# Allegro board LAUNCHXL-CC1312R1.brd (continued)
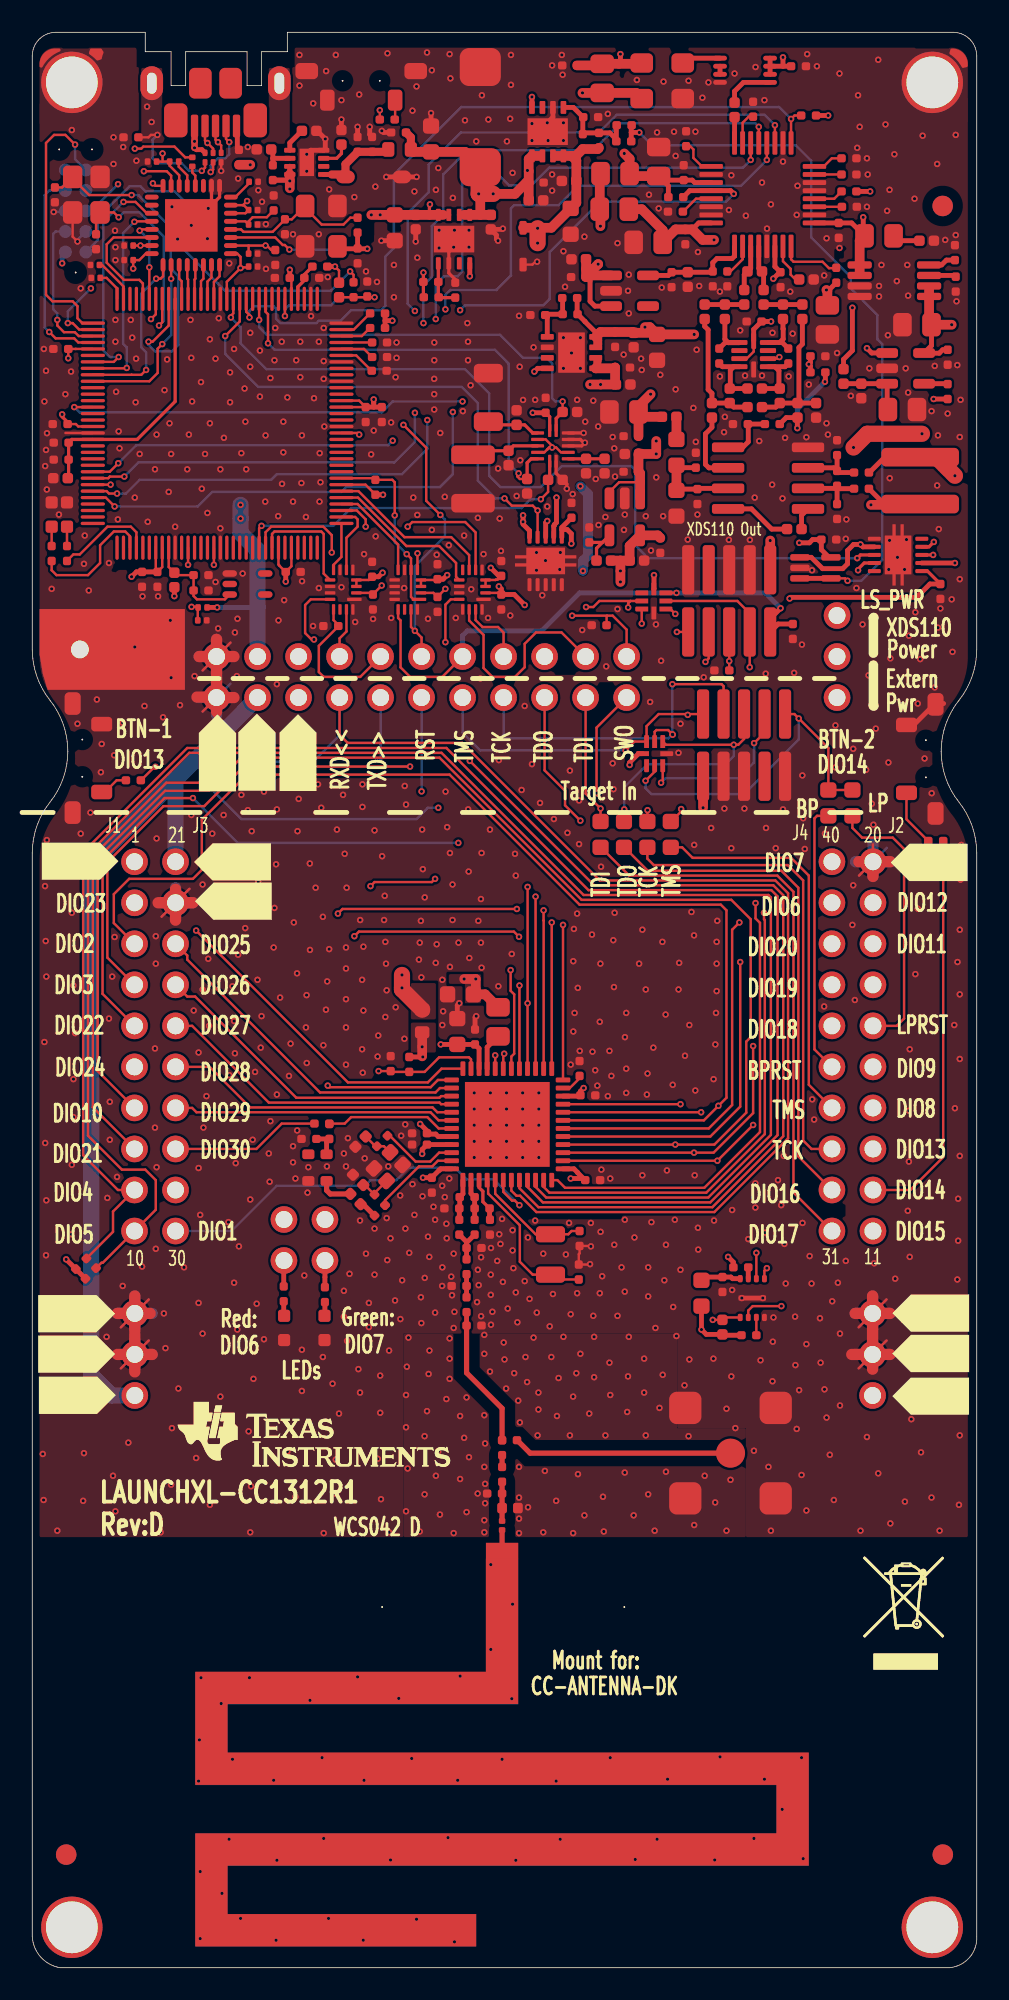
[diagram p0: board, top side]
## Routing (per net, layer and track width the routed paths; a pad name or vN(x,y) marks a point on that pad's centre or on a via; arc(x,y) is an arc through that point) (continued)
  TOP w0.15: P4.11 24.11,82.34 v1(23.7,82.75) 23.46,82.99 U10.15 ; 40.63,82.68 v1(39.93,82.68) ; CR7.2 37.05,84.6 ; 37.05,84.6 35.12,84.6 34.75,84.23 v1(34.3,84.23) ; 37.05,84.6 36.91,84.46 v1(36.91,84.2) ; v1(22.99,95.5) 24.4,94.09 24.4,90.8 v1(25.27,89.93) ; v1(21.53,114.98) R57.2
  L3 w0.15: v1(22.99,95.5) 22.99,113.92 21.93,114.98 v1(21.53,114.98) ; v1(36.91,84.2) 37.19,83.91 38.7,83.91 v1(39.93,82.68) ; v1(34.3,84.23) 32.71,84.23 31.54,83.05 24,83.05 v1(23.7,82.75)
  BOTTOM w0.15: v1(23.7,82.75) 23.7,86.75 25.56,88.61 25.56,89.64 v1(25.27,89.93)
XDS_RX: length 3.1
  TOP w0.15: U5.33 19.15,87.33 18.66,86.84 U8.8
XDS_RX_LS: length 9
  TOP w0.15: P4.13 20.31,79.9 18.05,79.9 17.75,80.2 17.75,81.82 18.95,83.03 R61.2 18.95,83.12 18.66,83.41 U8.13
XDS_SWO: length 7.2
  TOP w0.15: U5.25 14.85,88.75 15,88.9 17.9,88.9 18.05,88.75 18.05,86.3 U8.9
XDS_SWO_LS: length 26.7
  TOP w0.15: P4.1 36.81,82.83 35.95,83.69 35.6,83.69 ; v1(17.45,82.21) 17.3,82.21 16.9,82.61 16.9,84.35 17.25,84.7 U8.12 ; v1(33.44,83.69) 35.6,83.69 ; 35.6,83.69 35.57,83.66 R62.2
  L3 w0.15: v1(17.45,82.21) 24.04,82.21 24.53,82.7 32.45,82.7 v1(33.44,83.69)
XDS_TCK: length 11.7
  TOP w0.15: v1(23.25,89.2) 23.53,89.49 26.82,89.49 27.46,88.84 U9.6 ; v1(20.65,89.2) 20.65,89.65 20.1,90.2 U5.35
  L3 w0.15: v1(23.25,89.2) v1(20.65,89.2)
XDS_TCK_LS: length 29
  TOP w0.15: v1(44.44,80.5) P7.4 44.44,83.83 43.67,84.6 CR7.6 ; U9.15 27.46,83.42 27.89,82.99 28.85,82.99 29.19,82.64 P4.7
  L3 w0.15: v1(44.44,80.5) 44.04,80.5 43.84,80.3 39.28,80.3 38.89,79.91 30.44,79.91 P4.7
XDS_TDI: length 10.5
  TOP w0.15: U9.7 27.06,87.44 25.95,88.55 23.05,88.55 20.2,91.4 U5.38
XDS_TDI_LS: length 25.9
  TOP w0.15: P7.8 41.9,81.05 41.7,80.85 v1(41.7,80.83) ; P4.3 32.78,82.65 31.2,82.65 30.5,81.95 30.5,80.5 29.9,79.9 28.5,79.9 27.95,80.45 27.95,82.5 27.06,83.39 U9.14 ; v1(37.75,83.2) CR7.3
  L3 w0.15: P4.3 35,81.89 35,82.95 35.25,83.2 v1(37.75,83.2) 40.12,80.83 v1(41.7,80.83)
XDS_TDO: length 9.9
  TOP w0.15: U9.9 26.25,86.1 26.25,86.95 25.2,88 23.17,88 20.18,91 19.15,91
XDS_TDO_LS: length 29
  TOP w0.15: P7.6 v1(43.17,80.88) 43.17,80.31 R63.2 ; v1(39.83,83.8) 39.53,84.1 CR7.5 ; U9.12 25.92,84.7 25.59,84.37 v1(25.59,82.05)
  L3 w0.15: v1(43.17,80.88) 43.19,80.9 43.19,83.4 42.79,83.8 v1(39.83,83.8) 39.01,84.62 35.66,84.62 34.59,83.55 34.12,83.55 P4.5 30.61,82.29 26.29,82.29 26.06,82.05 v1(25.59,82.05)
XDS_TMS: length 6.1
  TOP w0.15: U10.8 22.66,88.09 20.15,90.6 U5.36
XDS_TMS_DIR: length 13.2
  TOP w0.15: U5.24 14.45,88.85 14.8,89.2 18.02,89.2 18.55,88.68 v1(18.55,87.6) ; U10.5 v1(23.86,87.55)
  L3 w0.15: v1(18.55,87.6) 18.94,87.99 23.42,87.99 v1(23.86,87.55)
XDS_TMS_LS: length 34.7
  TOP w0.15: U10.13 22.66,83.55 22.81,83.4 22.81,80.49 23.4,79.9 25.39,79.9 P4.9 ; CR7.7 v1(39.9,85.1) ; 45.72,82.67 P7.2
  TOP w0.3: R65.2 46.2,83.17 P7.2 45.71,83.51 v1(46.35,84.15)
  BOTTOM w0.3: v1(46.35,84.15) 45.4,85.1 v1(39.9,85.1) 33.9,85.1 31.55,82.75 26.95,82.75 26.65,82.45 P4.9
XDS_TX: length 4.5
  TOP w0.15: U8.6 19.46,88.51 20.15,89.2 20.15,89.65 20,89.8 U5.34
XDS_TX_LS: length 3.1
  TOP w0.15: U8.15 19.46,82.71 19.03,82.28 P4.15
XDS_VDD: length 189.2
  TOP w0.15: C73.1 28.82,85.93 28.72,85.93 28.7,85.9 U9.4 U9.3 ; U5.101 2.69,100.2 C4.1 v1(2.23,99.62) ; C6.1 13.35,105.25 12.99,105.25 12.9,105.16 12.9,105.2 ; U8.3 U8.4 20.85,85.9 C71.1 ; U5.28 16.05,86.75 C2.1 15.69,86.4 15.29,86.79 15.29,86.81 15.25,86.85 U5.26 ; U5.113 2.85,95.4 2.7,95.55 C3.1 ; U5.90 7.65,102.35 v1(7.35,102.05) ; 8.07,111.8 v1(8.07,112.3) ; 8.07,111.8 C80.1 ; 8.07,111.8 R83.1 8.51,111.54 9.1,110.95 U15.6 ; U15.25 12.7,106.1 12.9,105.9 12.9,105.2 ; U5.122 v1(4.85,91.8) ; U5.52 20.25,97 C39.1 U5.51 ; v1(18.75,105.3) 19,105.05 R17.2 ; U5.69 16.05,104.5 C38.1 ; U5.39 20.64,91.8 21.25,91.19 R58.2 ; U5.16 v1(11.25,86.84) ; U10.3 U10.4 25.05,85.9 C75.1 ; v1(6.25,105.17) C78.1 6.63,105.7 7.03,106.1 U15.16 ; U15.30 13.2,108.6 C79.1 13.1,109.1 13.05,109.1 ; 12.9,105.2 v1(12.9,105.2) 12.05,104.36 U5.79 ; U5.7 7.65,86.5 C42.1 8.05,86.7 U5.8 ; U15.31 13.05,109.1 ; 13.05,109.1 v1(13.3,109.36) ; 19.15,95 20.15,95 v1(20.25,94.9)
  TOP w0.2: v1(24.63,109.15) 24.6,109.12 24.6,108.5 ; C3.1 2.19,95.66 1.85,96 v1(1.85,96.15) ; v1(24.23,104.93) R33.2 24.23,103.42 C47.1
  TOP w0.3: 25.45,108.5 U7.3 ; R18.2 v1(8.8,84.9) ; v1(28.4,86.65) 28.9,86.15 C73.1 ; R27.1 21.85,101.95 ; 21.85,101.95 v1(22.3,101.95) ; 21.85,101.95 R39.1 ; C75.1 25.45,85.95 v1(25.7,86.2) ; R58.2 v1(21.73,91.18) ; v1(21.7,86.35) 21.45,86.1 C71.1 ; 21.15,96.6 C39.1 ; 21.15,96.6 C40.1 ; 21.15,96.6 21.15,96.88 21.15,96.89 v1(21.15,97.08) ; v1(6.15,86.1) 6.45,86.4 C7.1 C42.1 ; C2.1 v1(15.7,85.8) ; R31.2 v1(18.75,105.3) ; C38.1 v1(15.95,105.1)
  TOP w0.6: 25.45,108.5 U7.4 C49.1 C113.1 v1(21.55,108.5) v1(21,108.5)
  L3 w0.15: 6.25,103.32 6.23,103.3 ; 7.59,103.3 7.67,103.22 ; 7.37,102.05 v1(7.35,102.05)
  L3 w0.2: v1(24.63,109.15) 24.63,105.33 v1(24.23,104.93)
  L3 w0.3: v1(1.85,96.15) 1.85,95.97 2.27,95.55 3.59,95.55 3.75,95.39 ; 25.71,86.79 25.7,86.77 v1(25.7,86.2) ; 15.67,88.15 15.7,88.12 v1(15.7,85.8) ; 7.67,103.22 7.67,102.35 7.37,102.05 ; v1(18.75,105.3) 17,105.3 16.95,105.25 ; 3.75,102.58 2.74,102.58 1.82,103.5 1.82,105.48 v1(1.85,105.5) ; v1(8.8,84.9) 8.8,88.14 8.79,88.15 ; v1(22.3,101.95) 19.39,101.95 ; 19.39,96.6 20.67,96.6 v1(21.15,97.08) ; 19.39,91.2 19.41,91.18 v1(21.73,91.18) ; v1(15.95,105.1) 15.95,103.3 ; v1(8.07,112.3) 8.07,112.27 9.19,111.15 9.19,110.07 9.31,109.95 ; 21.71,86.79 21.7,86.77 v1(21.7,86.35) ; v1(11.25,86.84) 11.25,88.15 ; v1(6.25,105.17) 6.25,103.32 ; v1(20.25,94.9) 19.39,94.9
  L3 w0.6: v1(6.15,86.1) 6.15,87.3 6.91,88.06 ; v1(12.9,105.2) 12.9,107.24 12.91,107.25 ; v1(28.4,86.65) 28.26,86.79 17.97,86.79 17.55,87.21 17.55,88.15 ; 12.91,107.25 14.95,107.25 16.2,108.5 16.95,108.5 ; 12.91,107.25 12.91,108.96 ; 17.55,88.15 7,88.15 6.91,88.06 ; 17.55,88.15 17.99,88.15 19.39,89.55 19.39,91.2 ; 3.75,91.8 3.75,99.63 ; 3.75,91.8 3.76,91.8 v1(4.85,91.8) ; 3.75,91.8 3.75,89.5 5.19,88.06 6.91,88.06 ; 16.95,103.3 4.47,103.3 3.75,102.58 3.75,99.63 ; 16.95,103.3 18.72,103.3 19.39,102.63 19.39,94.9 ; 16.95,103.3 16.95,108.5 ; 12.91,108.96 v1(13.3,109.36) ; 12.91,108.96 12.91,109.07 12.03,109.95 9.31,109.95 ; 16.95,108.5 v1(21,108.5) v1(21.55,108.5) ; 3.75,99.63 3.74,99.62 v1(2.23,99.62)
  BOTTOM w0.3: v1(1.85,105.5) 1.85,106 P8.1
N949215: length 9.6
  TOP w0.15: 20.8,103.4 R20.1 R17.1 ; 20.8,103.4 v1(21.2,103.4) ; 20.8,103.4 R21.1 ; U5.70 v1(15.65,102.24)
  BOTTOM w0.15: v1(15.65,102.24) 15.65,102.64 15.91,102.9 18.5,102.9 R17.1 v1(21.2,103.4)
N949243: length 2.1
  TOP w0.15: U5.60 20.54,100.2 21.04,99.7 R30.1
N949263: length 3.1
  TOP w0.2: R34.2 25.2,103.38 C47.2 25.15,103.42 R33.1 U7.5
N949375: length 2.3
  TOP w0.15: R28.2 21.01,98.85 20.06,99.8 U5.59
N949687: length 13.6
  TOP w0.15: v1(7.85,101.65) 8.05,101.85 U5.89 ; C1.1 3.95,108.4 4.2,108.65 5.05,108.65 v1(5.35,108.35)
  BOTTOM w0.15: v1(5.35,108.35) 5.66,108.65 6.65,108.65 8.15,107.15 8.15,101.95 v1(7.85,101.65)
N949699: length 22
  TOP w0.15: v1(7.2,100.65) 7.45,100.65 8.45,101.65 U5.88 ; C9.1 1.85,110.2 Y3.1 2.5,110.75 3.52,109.73 v1(6.15,109.73)
  BOTTOM w0.15: v1(7.2,100.65) 7.2,100.45 7.6,100.05 8.65,100.05 9.05,100.45 9.05,104.7 9.02,104.73 9.02,104.73 8.78,104.98 8.77,104.98 8.57,105.18 8.57,107.73 6.6,109.7 6.58,109.7 6.55,109.73 v1(6.15,109.73)
N950083: length 6.7
  TOP w0.15: U5.9 8.45,86.7 R18.1 8.95,86.2 C8.1 C50.1 9.99,84.91 10.2,84.7 11.93,84.7 U6.3
N951001: length 2.2
  TOP w0.15: R39.2 20.91,102.4 19.91,101.4 U5.63
N951013: length 1.9
  TOP w0.15: U5.61 R29.1
N951017: length 2
  TOP w0.15: 19.15,101 20.41,101 20.91,101.5 R27.2
N952443: length 2.4
  TOP w0.2: U5.68 16.45,104.05 16.85,104.45 C46.1 16.85,104.8 R31.1
N1004371: length 8.1
  TOP w0.15: R23.2 1.2,86.5 1.5,86.2 3.45,86.2 4.2,86.95 4.2,88.05 5.05,88.9 5.76,88.9 6.05,88.61 U5.3
N1004534: length 6.3
  TOP w0.15: R25.2 2.15,87.09 2.54,87.48 2.94,87.48 4.66,89.2 6.1,89.2 6.45,88.85 U5.4
N1014101: length 10
  TOP w0.15: U1.4 28.24,48.69 28.24,47.92 30.2,45.96 30.2,43.7 31,42.9 Y1.1 32.4,42.6 C41.1
N1014113: length 7.2
  TOP w0.15: U1.5 28.67,47.91 31.18,45.4 Y1.2 33.2,45.4 33.4,45.6 C51.1
N1017630: length 2.5
  TOP w0.3: U4.8 43.38,42.65 43.28,42.75 C30.1 41.65,42.75 R12.1
N1018954: length 2.1
  TOP w0.15: C22.1 20.6,48.45 R5.2 21.2,47.85 21.2,47.95 Y2.1
N1031635: length 6.8
  TOP w0.15: v1(10.5,111.23) 10.7,111.43 CR6.1 ; v1(7.75,113.45) 7.35,113.45 7.2,113.3 R32.2
  BOTTOM w0.15: v1(7.75,113.45) 7.45,113.15 7.45,112 7.75,111.7 9.25,111.7 9.72,111.23 10.1,111.23 10.1,111.23 v1(10.5,111.23)
  vias: v1(7.11,115.2) v1(7.39,114.25)
N1105722: length 0.9
  TOP w0.15: 18.12,40.38 CR1.2
  TOP w0.3: R15.1 18.12,40.38
N1105771: length 0.9
  TOP w0.15: 15.57,40.38 CR2.2
  TOP w0.3: R14.1 15.57,40.38
N1105824: length 1.6
  TOP w0.3: P6.1 15.57,43.76 R14.2
N1106228: length 1.7
  TOP w0.15: 18.12,42.74 18.13,42.75
  TOP w0.3: 18.13,42.75 P6.3 ; R15.2 18.12,42.74
N1176548: length 29
  TOP w0.15: R47.1 38.1,68.65 38.5,68.25 46.8,68.25 47.75,67.3 47.75,51.2 48.27,50.68 J2.15
N1176568: length 31.4
  TOP w0.15: R48.1 36.67,69.35 38.12,67.9 46.4,67.9 47.45,66.85 47.45,50.22 J2.17
N1177007: length 35.1
  TOP w0.15: R49.1 35.22,69.35 36.97,67.6 46.15,67.6 47.15,66.6 47.15,47.98 J2.19
N1288065: length 3.5
  TOP w0.15: SW2.3 54.15,71.09 55.49,69.75 R55.1
N1288098: length 1.8
  TOP w0.15: R56.1 5.22,73.5 4.5,72.78 SW1.4
N1384129: length 1.2
  TOP w0.15: R57.1 22.47,114.43 SW3.3
N1409884: length 1.1
  TOP w0.15: U4.3 R59.1
N1409917: length 0.7
  TOP w0.3: U4.7 R60.1
N1553941: length 1.7
  TOP w0.15: U15.5 9.6,110.95 9.07,111.48 R83.2
N1579665: length 1.6
  TOP w0.15: R84.2 13.43,110.45 12.58,109.6 U15.32
N1580179: length 9.3
  TOP w0.15: U15.28 12.93,107.6 13.08,107.45 14.89,107.45 15.65,108.21 C88.2 16.07,108.22 Y4.1 16.9,108.93 17.92,107.9 19.27,107.9 19.7,108.32 R87.2
N1580186: length 11.7
  TOP w0.15: v1(15.92,106.35) 15.64,106.63 15.51,106.63 15.05,107.1 U15.27
  TOP w0.3: R87.1 C89.2 ; C89.2 20.17,106.4 v1(20.75,106.4) ; C89.2 20.13,106.4 19.05,106.4 Y4.3
  BOTTOM w0.15: v1(20.75,106.4) 20.35,106.4 20.3,106.35 v1(15.92,106.35)
N1644260: length 2.8
  TOP w0.15: R90.2 4.32,105.4 5.65,104.07 U5.95
N1644363: length 2
  TOP w0.15: U5.96 5.25,103.95 4.6,104.6 R91.2
N2070550: length 1.4
  TOP w0.15: U1.23 33.29,54.45 33.9,55.06 C53.1
N2071733: length 2.5
  TOP w0.3: U1.1 26.67,47.9 L12.2 26.48,47.03 C11.1 L11.1
N2072219: length 2.5
  TOP w0.3: C21.1 L32.1 L12.1 27.17,47.93 U1.2
N2074535: length 2.7
  TOP w0.2: L32.2 27.91,47.41 27.91,48.05 27.67,48.29 U1.3
  TOP w0.3: C31.1 28.32,46.33 L32.2
N2075216: length 2.4
  TOP w0.3: 26.9,44.88 26.9,44.93 L11.2 ; 26.9,44.88 C33.1 L33.1 ; 26.9,44.88 C21.2
N2075665: length 1.4
  TOP w0.3: L34.1 C34.1 L33.2
N2076038: length 8.8
  TOP w0.3: L34.2 C35.1
  TOP w0.32: C36.1 29.1,34.62 26.9,36.82 C35.1
N2078765: length 13.6
  TOP w0.32: J7.1 30.84,31.85 30.04,32.65 C37.2
N2082297: length 2.4
  TOP w0.32: Z60.2 Z61.1 Z62.1 Z63.1
N2239551: length 5.4
  TOP w0.15: R7.2 21.85,47.5 23.95,49.6 24.77,49.6 25.12,49.95 U1.47
N2239563: length 4.9
  TOP w0.15: U1.46 25.2,50.45 24.65,49.9 23.74,49.9 22.14,51.5 R6.1
N2245591: length 1.3
  TOP w0.32: Z63.2 A1.1
  vias: v1(10.3,11.55) v1(10.35,14.1) v1(10.4,5.95) v1(10.4,1.8) v1(10.45,17.95) v1(11.7,16.35) v1(11.75,4.6) v1(12.19,7.95) v1(12.4,12.9) v1(12.9,3.05) v1(13.45,17.95) v1(14.95,11.6) v1(15.15,6.65) v1(15.1,1.7) v1(17.2,16.55) v1(17.95,13) v1(18.05,8) v1(18.35,3.05) v1(20.15,18) v1(20.55,11.6) v1(20.5,1.7) v1(22.19,6.67) v1(22.7,16.67) v1(23.5,12.95) v1(23.8,3) v1(25.75,8.05) v1(26.15,1.6) v1(26.35,11.6) v1(26.5,18.05) v1(28.4,24.95) v1(28.4,19.7) v1(29.1,12.9) v1(29.75,22.5) v1(29.7,16.65) v1(29.95,6.65) v1(32.45,11.55) v1(32.7,7.95) v1(35.8,13) v1(37.35,6.7) v1(38.7,7.95) v1(39.35,11.67) v1(42.27,6.67) v1(42.6,13.05) v1(44.7,8) v1(45.35,11.67) v1(46.45,9.8) v1(47.65,13) v1(47.75,6.75)
N2266542: length 0.7
  TOP w0.32: C36.2 Z60.1
N3002303: length 17.7
  TOP w0.3: U34.7 46.5,117.7 ; U34.7 U34.8 ; U34.7 U34.6 ; 46.5,117.7 v1(46.5,118.25) ; 46.5,117.7 C115.1 ; 36.35,117.85 36.43,117.93 v1(36.43,118.45)
  TOP w0.6: C118.1 35.2,117.75 FL4.2 37.7,117.85 Y6.4
  L3 w0.3: v1(46.5,118.25) 36.63,118.25 v1(36.43,118.45)
N3002611: length 13.6
  TOP w0.3: R99.2 51.85,92.55 52.8,93.5 R107.1 ; U33.2 v1(57.15,86.95)
  TOP w0.6: 56,93.5 R107.1
  TOP w1: v1(57.15,92.35) 56,93.5
  L3 w1: v1(57.15,92.35) v1(57.15,86.95)
N3002631: length 2.4
  TOP w0.3: U34.1 40.59,118.2 Y6.3
N3002671: length 0.5
  TOP w0.3: U34.2 U34.3
N3002679: length 3.1
  TOP w0.3: U34.5 44.05,116.7 43.5,116.15 R94.2
N3002683: length 1.6
  TOP w0.3: U35.24 R94.1
N3002707: length 48.9
  TOP w0.3: U33.7 51.45,87.95 v1(51.3,88.1) 50.87,88.1 50.5,87.73 50.5,86.9 50.2,86.6 48.95,86.6 48.25,87.3 U45.1 ; v1(31.9,89.55) 31.9,89.55 31.8,89.45 U38.3 ; R108.2 52.77,90.6 R107.2
  TOP w0.6: R107.2 54.95,90.55 v1(51.95,90.55)
  TOP w1: v1(50.87,94.1) 51.72,94.95 v1(55.11,94.95)
  L3 w1: v1(31.9,89.55) 32.7,89.55 32.7,89.55 33.63,89.55 35.03,90.95 39.3,90.95 40.75,92.4 44.75,92.4 45.86,93.51 50.28,93.51 v1(50.87,94.1) ; v1(55.11,94.95) 55.11,91.55 54.11,90.55 v1(51.95,90.55) 51.95,88.75 v1(51.3,88.1)
N3002889: length 7.7
  TOP w0.3: C129.1 43.45,96.6 R102.2 R101.1 42.1,97.45 41.86,97.69 41.86,101.39 41.65,101.6 R95.2
N3002897: length 2.5
  TOP w0.3: R95.1 R103.1 R104.2
N3003137: length 3.9
  TOP w0.3: C123.1 42.75,99.1 43.45,99.1 ; C130.1 R102.1 43.24,97.79 43.24,98.89 43.45,99.1 ; U37.4 43.45,99.1
N3003145: length 3.6
  TOP w0.3: R103.2 42.9,100.8 43.11,100.59 43.79,100.59 U37.1 42.93,100.6 C123.2
N3003349: length 2.1
  TOP w0.15: U35.29 41.11,109.5 40.31,108.7 R97.1
N3003461: length 3.9
  TOP w0.3: C132.1 49.95,92.55 R99.1 ; C132.1 C124.2 ; C132.1 49.66,92.84 U36.3
N3003521: length 3.8
  TOP w0.15: R98.2 49.78,105.2 49.35,105.2 48.95,105.6 47.15,105.6 47,105.75 U35.8
N3003585: length 4.2
  TOP w0.3: R137.1 45.8,89.05 44.55,90.3 U36.8
N3003709: length 4.6
  TOP w0.3: U36.6 41.91,92.84 41.7,93.05 41.7,94.94 42.1,95.35 R101.2
N3003761: length 2.9
  TOP w0.3: R104.1 44.1,104.8 C131.1 44.5,105.2 U35.3
N3003773: length 2.1
  TOP w0.15: U35.23 44,114.2 44.37,114.58 R105.2
N3003833: length 4.1
  TOP w0.3: C132.2 50.03,91.55 R108.1 ; C132.2 C134.1 ; C132.2 49.69,91.57 U36.2
N3003845: length 3.8
  TOP w0.15: U37.7 46.18,99.6 v1(46.27,99.7)
  TOP w0.3: R111.1 48.2,99.15 v1(48.1,99.25) 48.2,99.35 C133.1
  L3 w0.3: v1(46.27,99.7) 46.75,99.7 46.75,99.7 47.65,99.7 v1(48.1,99.25)
N3003889: length 3.6
  TOP w0.3: R100.2 R106.2 44.35,95.52 44.35,94.45 44.01,94.11 U36.5
N3003929: length 3.9
  TOP w0.3: 46,99.1 46.25,98.85 46.25,97.8 R110.1 C130.2 ; 46,99.1 46.63,99.1 C135.1 ; 46,99.1 U37.6
N3003937: length 3
  TOP w0.3: C135.2 46.45,100.6 46.3,100.6 ; 46.3,100.6 46.51,100.81 46.51,101.43 46.5,101.45 R112.2 ; 46.3,100.6 U37.9
N3003989: length 2.1
  TOP w0.15: C136.1 43.25,105 44,105.75 U35.2
N3004061: length 8.8
  TOP w0.3: R109.1 R110.2 46.05,96.6 C129.2 ; R109.1 R115.1 ; R109.1 47.49,96.94 47.49,100.29 47.7,100.5 R120.2
N3004137: length 2.8
  TOP w0.3: R113.1 45.3,104.9 C131.2 45,105.2 U35.4
N3004141: length 1.7
  TOP w0.15: U35.11 C137.1
N3004269: length 2.4
  TOP w0.3: R120.1 R112.1 R113.2
N3004289: length 2.4
  TOP w0.15: C138.1 40.75,112.75 40.95,112.55 40.95,112.02 41.47,111.5 U35.25
N3004389: length 2.6
  TOP w0.15: R116.2 47.27,104.5 46.97,104.8 46.97,105.16 46.5,105.63 U35.7
N3004561: length 1.9
  TOP w0.15: U35.16 49.02,111.5 49.52,112 R117.2
N3004593: length 1.7
  TOP w0.15: U35.15 R118.2
N3004681: length 1.9
  TOP w0.15: U35.12 49.68,109.5 R119.2
N3004851: length 9.6
  TOP w0.15: U39.4 31.72,93.8 31.89,93.97 ; v1(32.2,94.1) 32.02,94.1 31.89,93.97 ; v1(32.2,94.1) 32.2,94.2 31.8,94.6 U39.2 ; v1(32.2,94.1) 32.45,94.1 32.75,93.8 U39.9 ; 31.89,93.97 32.01,94.1
  TOP w0.3: U38.2 32.3,89.24 32.35,89.29 32.35,89.34 32.47,89.46 v1(32.47,91)
  L3 w0.6: v1(32.47,91) 32.47,91.14 31.71,91.9 31.71,93.61 v1(32.2,94.1)
N3005293: length 3.3
  TOP w0.2: U39.1 31,95 30.5,95.5 C143.1 28.45,95.5 R123.2
N3005369: length 1.7
  TOP w0.3: U40.3 57.12,104.75 R136.2
N3005381: length 4.5
  TOP w0.3: C147.1 52.95,96.5 U41.3 ; 52.85,97.95 U41.3 ; U41.3 R126.2 R121.2
N3005457: length 1.7
  TOP w0.3: C145.1 56.62,105.7 56.32,105.4 U40.4
N3005465: length 1.8
  TOP w0.3: C146.2 53.35,107.15 53.6,106.9 R122.2
N3005509: length 4.2
  TOP w0.2: U39.3 29.8,94.2 C144.1 27.55,93.9 R125.2
N3005629: length 1.5
  TOP w0.3: R131.2 56.67,98.05 U41.4
N3005723: length 2.2
  TOP w0.2: R130.1 C149.1 U39.8
N3011605: length 3.5
  TOP w0.3: U42.5 31.9,102.17 R133.2 31.82,102.35 R132.1 32.85,103.33 C153.2
N3011753: length 5.8
  TOP w0.3: C169.1 36.18,114.03 36.18,113.17 ; 36.18,113.17 R138.2 ; 36.18,113.17 35.77,113.57 C172.2 34.17,113.57 R151.1 34.1,114.52 R152.2 34.11,114.55 33.51,115.15 U46.5
N3012529: length 2.7
  TOP w0.2: 35.32,88.23 U44.4 ; 35.32,88.23 34.95,87.86 R134.1 ; 35.32,88.23 R135.2
N3025885: length 1.4
  TOP w0.3: R137.2 47.65,89.9 U36.1
N3156339: length 1.4
  TOP w0.6: R153.1 FL3.2
N3157182: length 1.9
  TOP w0.15: 21.35,50.85 21.25,50.85 C23.1 ; 21.35,50.85 R6.2 21.35,50.85 ; 21.35,50.85 21.78,50.85 Y2.3
N3167465: length 5.2
  TOP w0.3: 18.55,111 U47.5
  TOP w0.5: 18.55,111 19.25,111 CR15.1 19.4,111.64 20.15,112.39 C109.1 C108.1 21.9,112.4 FL2.2
N3174121: length 4.3
  TOP w0.15: v1(11.05,111.15) 11.2,111.3 CR6.2 ; v1(12.2,113) 12,113.2 J6.4
  BOTTOM w0.15: v1(11.05,111.15) 11.05,111.55 11.5,112 11.95,112 12.2,112.25 v1(12.2,113)
N3220034: length 24.2
  TOP w0.15: R46.1 40.25,69.35 40.9,68.7 47,68.7 48.1,67.6 48.1,54.65 J2.13
N3261415: length 2.1
  TOP w0.3: 14.9,112 U47.2 ; 14.9,112 14.9,112.45 R155.2 ; 14.9,112 R154.2
N3263468: length 1.5
  TOP w0.3: C107.1 16.69,113.7 15.95,112.95 U47.1
N3266724: length 1.8
  TOP w0.2: R156.2 19.15,112.3 18.85,112 U47.7
N3270349: length 1.3
  TOP w0.15: U15.4 10.1,110.93 9.91,111.12 R82.1
N3291381: length 2.1
  TOP w0.32: C25.1 19.69,47.89 18.46,47.89 18.23,48.12 Y7.3
N3291400: length 1.8
  TOP w0.3: C24.1 R8.1 18.23,51.13 Y7.4
N10367920: length 1.2
  TOP w0.15: R25.1 CR5.2
N10368080: length 1.2
  TOP w0.15: CR4.2 R23.1

## Copper pours and planes (outline as drawn; the poured copper is in the pictures)
GND on TOP (solid shape): 9.45,79.1 0.95,79.1 0.65,80.1 0.45,81.3 0.45,84.1 9.45,84.1
GND on BOTTOM (solid shape): 9.45,79.1 0.95,79.1 0.65,80.1 0.45,81.3 0.45,84.1 9.45,84.1
GND on TOP: 39.95,39.25 39.95,33.4 44.2,33.4 44.2,26.65 23,26.65 23,39.25
GND on TOP: 0.45,114.1 0.45,117.84 0.73,118.52 1.41,118.8 6.45,118.8 6.45,117.6 6.55,117.6 6.55,114.1
GND on TOP, BOTTOM: 53.25,114.2 53.25,118.8 56.99,118.8 57.67,118.52 57.95,117.84 57.95,114.2
GND on BOTTOM: 0.45,114.3 0.45,117.84 0.73,118.52 1.41,118.8 5.05,118.8 5.05,114.3
GND on BOTTOM: 0.45,26.55 0.45,68.5 0.71,70 1.44,71.34 2.65,74.7 1.57,78.1 1.5,78.18 1.44,78.26 1.25,78.52 1.07,78.8 0.61,79.91 0.45,81.1 0.45,81.29 0.45,81.3 0.45,117.84 0.73,118.52 1.41,118.8 6.45,118.8 6.45,117.6 8.05,117.6 8.05,115.5 9.95,115.5 9.95,117.6 12.75,117.6 12.75,115.5 14.65,115.5 14.65,117.6 16.25,117.6 16.25,118.8 56.99,118.8 57.67,118.52 57.95,117.84 57.95,117.6 57.95,84.8 57.95,81.1 57.85,80.3 57.79,80 57.81,80 57.48,79.09 56.96,78.26 55.75,74.8 56.96,71.34 57.69,70 57.95,68.5 57.95,26.55 ; 6 cut-outs
GND on L2: 0.45,26.55 0.45,68.5 0.71,70 1.44,71.34 2.65,74.8 1.44,78.26 0.92,79.09 0.59,80 0.61,80 0.55,80.3 0.45,81.3 0.45,117.84 0.73,118.52 1.41,118.8 6.45,118.8 6.45,117.6 8.05,117.6 8.05,115.5 9.95,115.5 9.95,117.6 12.75,117.6 12.75,115.5 14.65,115.5 14.65,117.6 16.25,117.6 16.25,118.8 56.99,118.8 57.67,118.52 57.95,117.84 57.95,117.6 57.95,81.3 57.95,81.1 57.85,80.3 57.79,80 57.81,80 57.48,79.09 56.96,78.26 55.75,74.8 56.96,71.34 57.69,70 57.95,68.5 57.95,26.55 ; 2 cut-outs
GND on L3: 0.55,26.6 0.55,68.55 0.81,70.05 1.54,71.39 2.75,74.85 1.54,78.31 1.02,79.14 0.69,80.05 0.71,80.05 0.65,80.35 0.55,81.35 0.55,117.89 0.83,118.57 1.51,118.85 6.55,118.85 6.55,117.65 8.15,117.65 8.15,115.55 10.05,115.55 10.05,117.65 12.85,117.65 12.85,115.55 14.75,115.55 14.75,117.65 16.35,117.65 16.35,118.85 57.09,118.85 57.77,118.57 58.05,117.89 58.05,117.65 58.05,81.35 58.05,81.15 57.95,80.35 57.89,80.05 57.91,80.05 57.58,79.14 57.06,78.31 55.85,74.85 57.06,71.39 57.79,70.05 58.05,68.55 58.05,26.6 ; 20 cut-outs
VDDR on TOP: 27.8,59.7 27.8,61.5 25.8,61.5 25.8,60.9 26.8,60.9 26.8,59.7
VDDS on TOP: 23.45,58.5 23.45,56.65 25,56.65 25,58.5
(no net) on TOP: 57.69,70.05 57.95,68.55 57.95,39.18 57.95,26.65 44.2,26.65 44.2,33.4 39.95,33.4 39.95,39.25 23,39.25 23,26.65 0.45,26.65 0.45,68.55 0.71,70.05 1.44,71.39 2.65,74.85 1.44,78.31 0.71,79.65 0.45,81.15 0.45,117.89 0.73,118.57 1.41,118.85 6.45,118.85 6.45,117.65 8.05,117.65 8.05,115.55 9.95,115.55 9.95,117.65 12.75,117.65 12.75,115.55 14.65,115.55 14.65,117.65 16.25,117.65 16.25,118.85 56.99,118.85 57.67,118.57 57.95,117.89 57.95,81.15 57.69,79.65 56.96,78.31 55.75,74.85 56.96,71.39 ; 37 cut-outs
WMCU_VDD on TOP: 23.45,60.95 23.45,58.7 25,58.7 25,60.95
N1031635 on TOP: 6.75,112.9 6.75,117.6 8.05,117.6 8.05,115.5 9.95,115.5 9.95,117.6 12.75,117.6 12.75,115.7 14.45,115.7 14.45,115.1 14.65,115.1 14.65,115.7 14.65,117.6 15.95,117.6 15.95,112.9 ; 1 cut-out
N1031635 on BOTTOM, L2: 6.75,112.9 6.75,117.6 8.05,117.6 8.05,115.5 9.95,115.5 9.95,117.6 12.75,117.6 12.75,115.5 14.65,115.5 14.65,117.6 15.95,117.6 15.95,112.9
N2245591 on TOP (solid shape): 30.1,16.32 12.1,16.32 12.1,13.32 48.1,13.32 48.1,6.32 12.1,6.32 12.1,3.32 27.5,3.32 27.5,1.32 10.1,1.32 10.1,8.32 46.1,8.32 46.1,11.32 10.1,11.32 10.1,18.32 28.1,18.32 28.1,25.32 30.1,25.32
N2245591 on BOTTOM (solid shape): 30.1,16.3 12.1,16.3 12.1,13.3 48.1,13.3 48.1,6.3 12.1,6.3 12.1,3.3 27.5,3.3 27.5,1.3 10.1,1.3 10.1,8.3 46.1,8.3 46.1,11.3 10.1,11.3 10.1,18.3 28.1,18.3 28.1,25.3 30.1,25.3
GND on TOP (solid shape): 56.99,118.8 57.67,118.52 57.95,117.84 57.95,117.74 57.93,117.68 57.87,117.64 57.68,117.6 57.62,117.6 57.57,117.65 57.26,118.09 56.86,118.43 56.82,118.48 56.81,118.54 56.87,118.73 56.9,118.78 56.96,118.8
GND on TOP (solid shape): 1.65,118.8 1.72,118.77 1.73,118.64 1.69,118.61 1.08,118.23 0.64,117.67 0.6,117.63 0.48,117.64 0.45,117.71 0.45,117.84 0.73,118.52 1.41,118.8
GND on TOP: 38.52,83.33 38.48,83.33 38.45,83.36 38.17,83.63 38.15,83.68 38.15,83.74 38.19,83.78 38.25,83.8 38.3,83.85 38.3,84.7 38.33,84.77 38.4,84.8 38.6,84.8 38.67,84.77 38.7,84.7 38.7,83.9 38.73,83.83 38.8,83.8 39.57,83.8 39.65,83.81 39.75,83.87 39.78,83.87 40.14,83.87 40.18,83.87 40.21,83.85 40.25,83.81 40.28,83.77 40.26,83.66 40.19,83.63 40.18,83.63 40.14,83.61 39.88,83.36 39.85,83.33 39.81,83.33

Small or netless copper shapes (teardrops, artwork), in the pictures only: 1 on TOP

## Text on the board
Ref Des/Silkscreen Bottom: J1 | 1 | 10 | 21 | 30 | J3 | J4 | 31 | 40 | 11 | 20 | J2 | DIO23 | DIO22 | DIO24 | DIO2 | DIO3 | DIO1 | DIO25 | DIO27 | DIO28 | DIO29 | DIO30 | DIO26 | DIO7 | DIO6 | DIO20 | DIO19 | DIO18 | BPRST | DIO9 | DIO8 | DIO15 | DIO12 | DIO11 | LPRST | DIO13 | DIO14 | DIO10 | DIO21 | DIO4 | DIO5 | TMS | TCK | DIO16 | DIO17
User.Comments: WCS042 D | E1   Initial Version                                     2017-08-09  2017-08-09 | A    Production Release Version                          2017-10-20  2017-10-20 | C    Updated with new Energy Trace Circuit               2018-07-09  2018-07-09 | D    Production Release Version (Added CE Logo)          2018-10-10  2018-10-10 | B    Production Release Version (Added DustBin Symbol)   2018-01-04  2018-01-04 | PANEL DRAWING
Ref Des/Silkscreen Top: XDS110 Out | J1 | 10 | 1 | 21 | 30 | J3 | J4 | 40 | 31 | 20 | 11 | J2 | DIO3 | DIO22 | DIO2 | DIO24 | DIO23 | DIO13 | BTN-1 | DIO1 | DIO26 | DIO25 | DIO27 | DIO28 | DIO29 | DIO30 | DIO6 | Red: | LEDs | WCS042 D | Green: | DIO7 | CC-ANTENNA-DK | Mount for: | Target In | DIO20 | DIO19 | DIO18 | BPRST | BP | DIO14 | BTN-2 | LS_PWR | LP | Extern | Pwr | XDS110 | Power | DIO15 | DIO8 | DIO11 | LPRST | DIO9 | DIO12 | DIO10 | DIO21 | DIO4 | DIO5 | DIO17 | DIO16 | TMS | TCK | RXD<< | TXD>> | RST | TDO | TDI | SWO | LAUNCHXL-CC1312R1 | Rev:D
DIMENSION: V-CUT | 4. APPLY NON-CONDUCTIVE LPI SILKSCREEN OR EQUIVALENT PER THE ARTWORK. | CLASS 2 AND WORKMANSHIP SHALL CONFORM TO | PROCESS NOTES: | 3. SOLDERMASK ARTWORK HAS ZERO (0) OVERSIZED PADS. | 5. ALL VIAS ARE TENTED. | 2. PLATE ALL EXPOSED AREAS WITH ELECTROLESS NICKEL IMMERSION GOLD. | CURRENT REV. COLOR OF MASK TO BE RED. | THE LETTER CODE SHALL IDENTIFY THE MAUFACTURER AND IS DECIDED BY MFR. NO LOGOS OR OTHER IDENTIFIERS ARE ALLOWED | THE MARKING SHALL BE IN BOTTOM SILK SCREEN PRINT | RoHS/REACH CERTIFICATE OF CONFORMANCE SHALL BE DELIVERED WITH EACH LOT | 6. MAX. WARP & TWIST TO BE .0075 PER INCH. | 7. BOARD MUST BE ELECTRICALLY TESTED USING | 1. APPLY LPI SOLDERMASK OVER BARE COPPER (SMOBC), | LEAD FREE ASSEMBLY CAPABLE. BOARD MATERIAL | 8. 0.32MM TRACES ON LAYER 1 ARE 50 OHMS +/-10%. | 9. MANUFACTURER MARKING: TWO LETTER + YEAR + WEEK | 3. BOARD MATERIAL SHALL BE 180 Tg/340 Td ISOLA | 5. OVERALL BOARD THICKNESS TO BE1.6 MM | PROCESSES, MEASURED FROM COPPER TO COPPER. | 4. BOARD MATERIAL & CONSTRUCTION TO BE U.L. 94V-0 | 2. THE PWB SHALL BE FABRICATED TO IPC-6012, | 1. ALL DIMENSIONS ARE IN MM, UNLESS | FAB NOTES: | UL GUIDE NUMBER SHOULD BE MARKED ON THE FINISHED | OTHERWISE NOTED. | AND APPLIES AFTER ALL LAMINATION AND PLATING | SUPPLIED IPC-D-356 NETLIST. | IPC-A-600, CLASS 2. CURRENT REVISIONS. | SHALL MEET OR EXCEED IPC-4101B. | FR-370HR OR EQUIVALENT, RoHS COMPLIANT AND | THEY ARE REFERENCE TO LAYER 2 GROUND | SOLDERMASK SHALL CONFORM TO IPC-SM-840. CLASS H. | FABRICATION VENDOR IS ALLOWED TO ADJUST THE COMPONENT SOLDERMASK | APPROVED AND MARKED ON THE FINISHED BOARD. | BOARD. | NICKEL:100 MICRO-INCHES MIN. GOLD:2-8 MICROINCHES MIN. | COLOR: WHITE. | PADS TO MEET THEIR TOOLING REQUIREMENTS.
